# Altium PCB ALTAIR_PD_Soldier_V26.1a.PcbDoc (part 1 of 2) (continued)
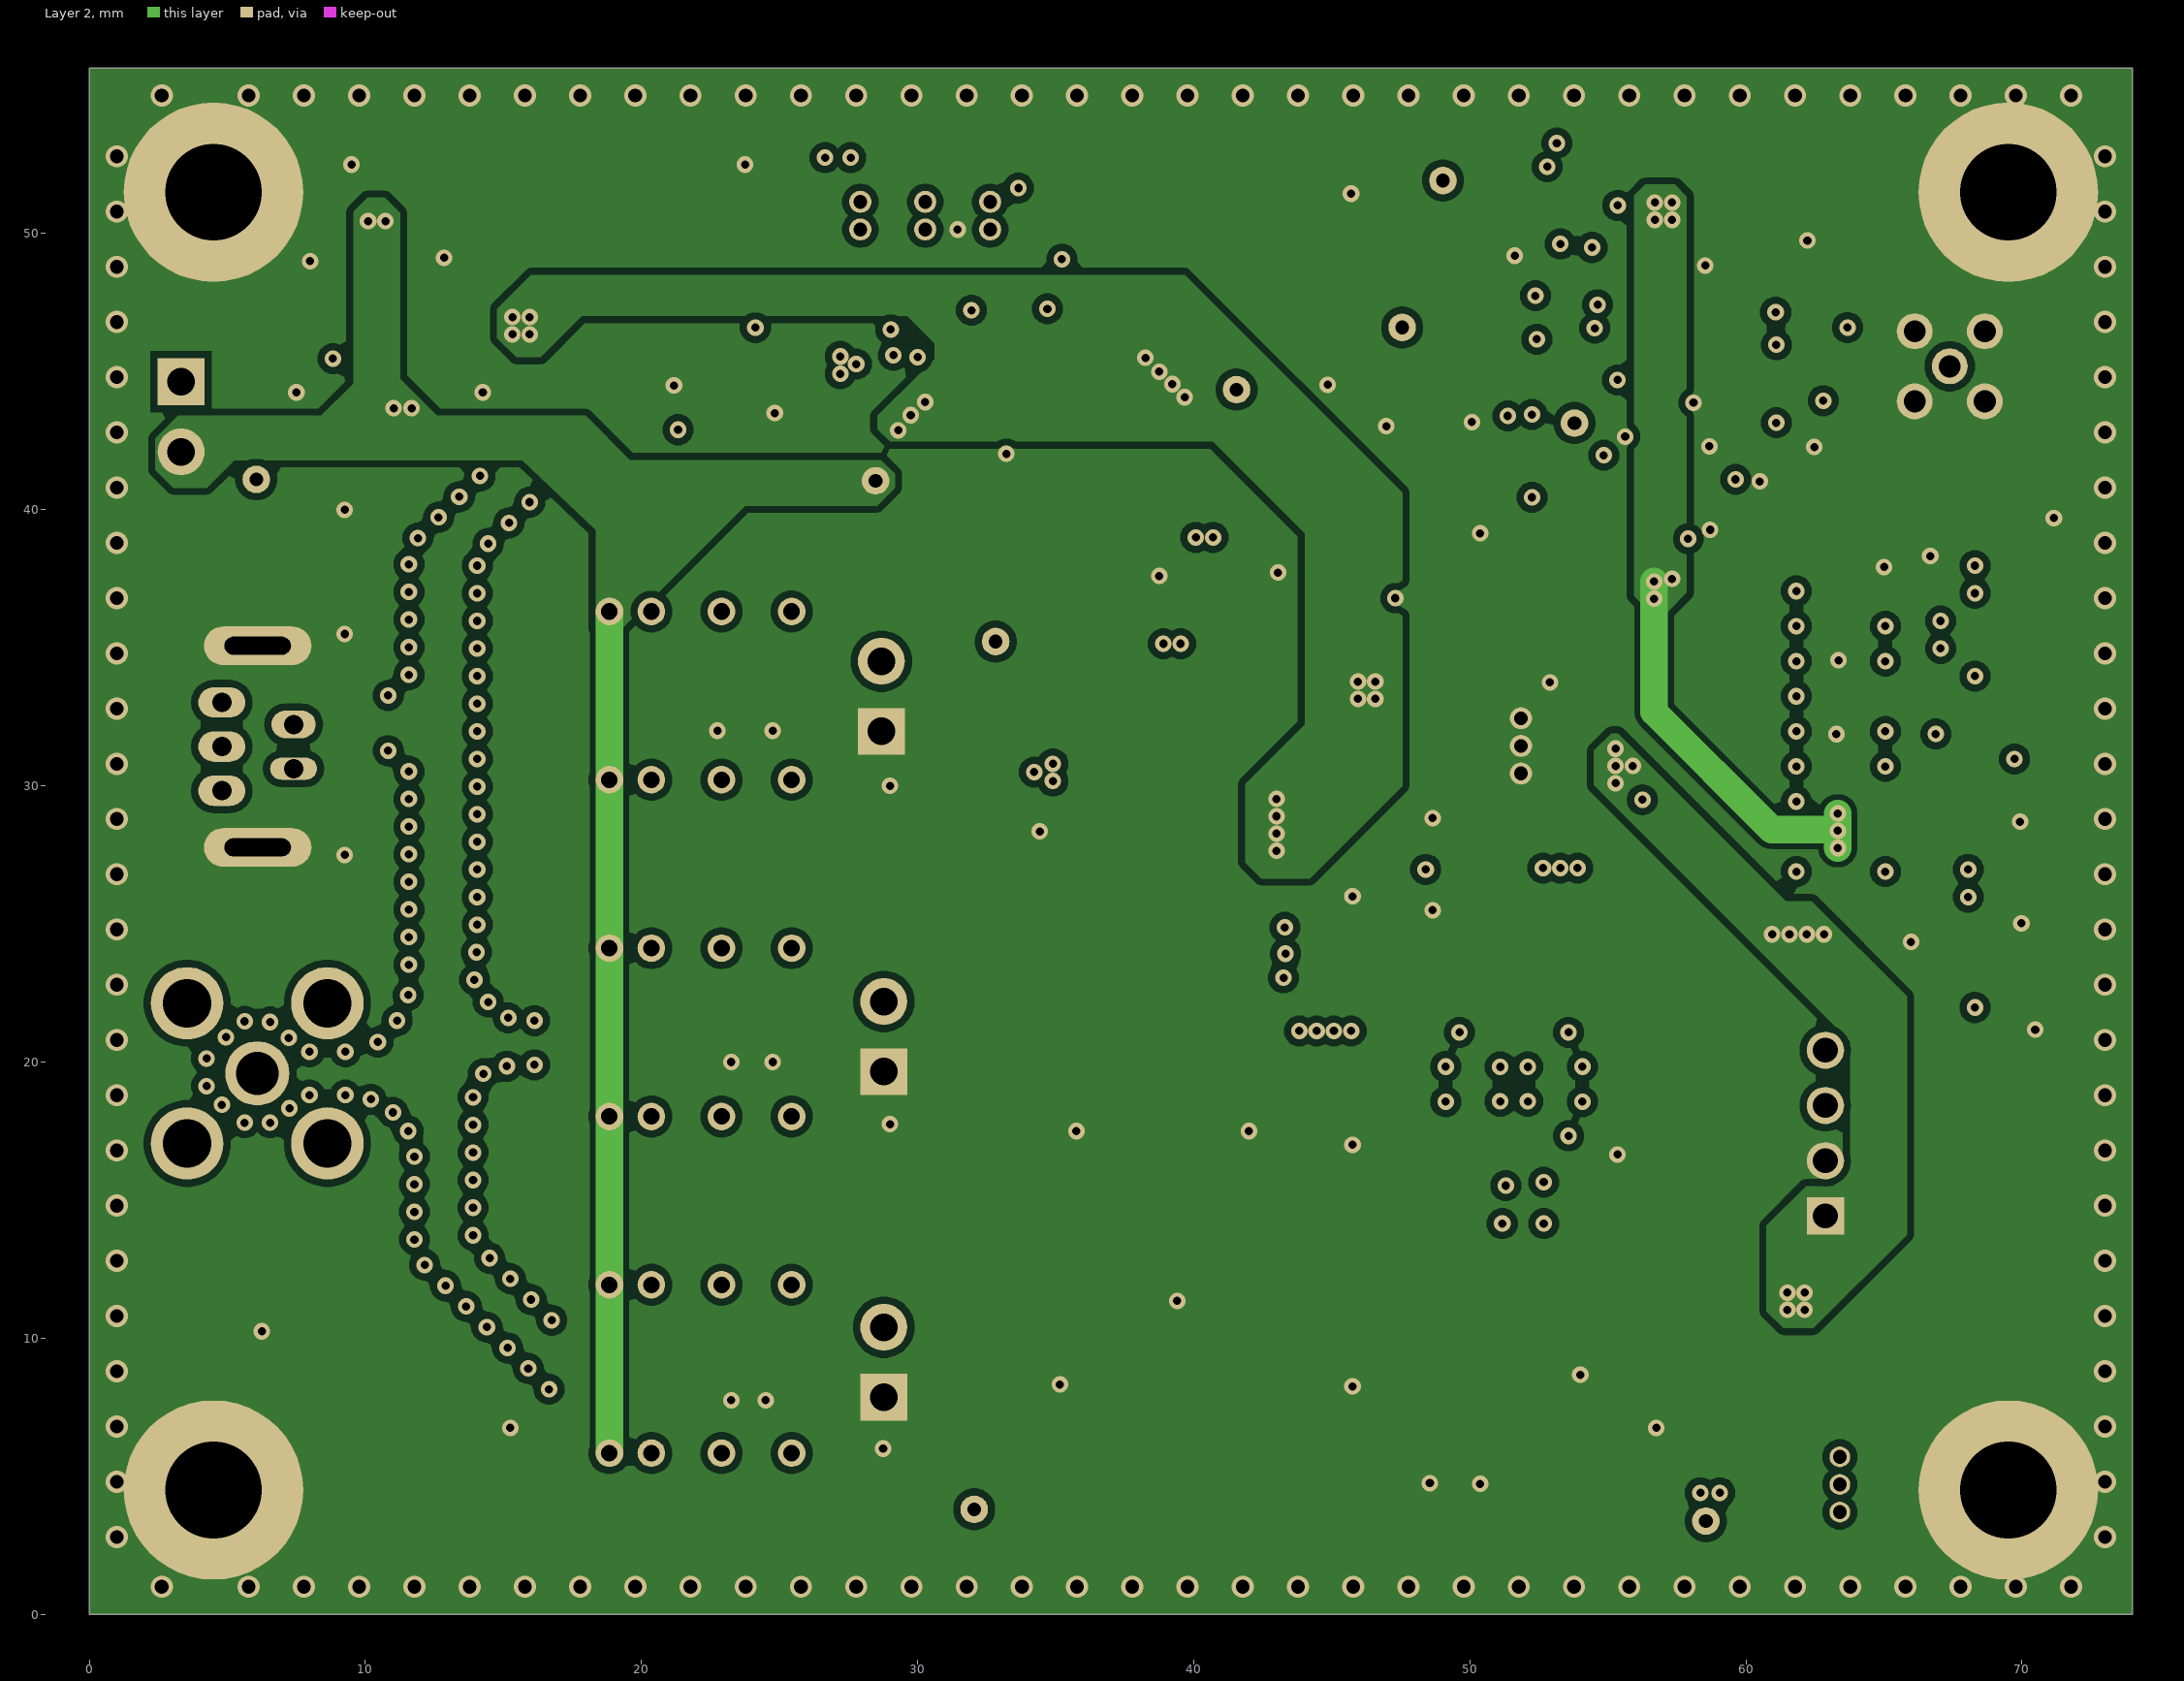
[diagram p3: Layer 2]
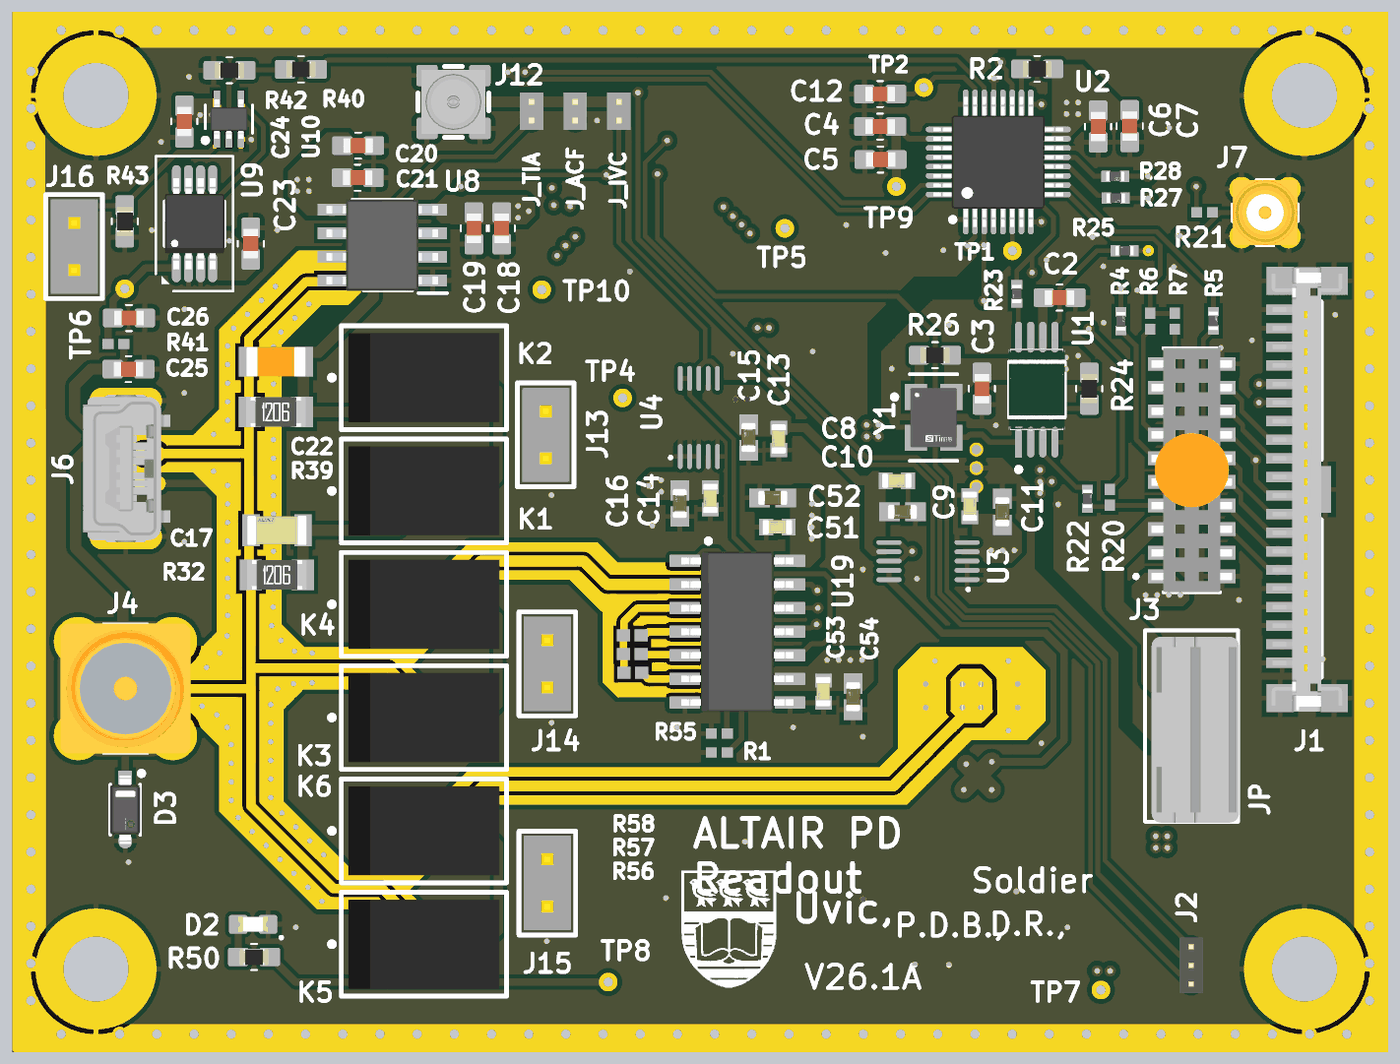
[diagram p5: 3D render of the assembled board from above, using the file's embedded part models]
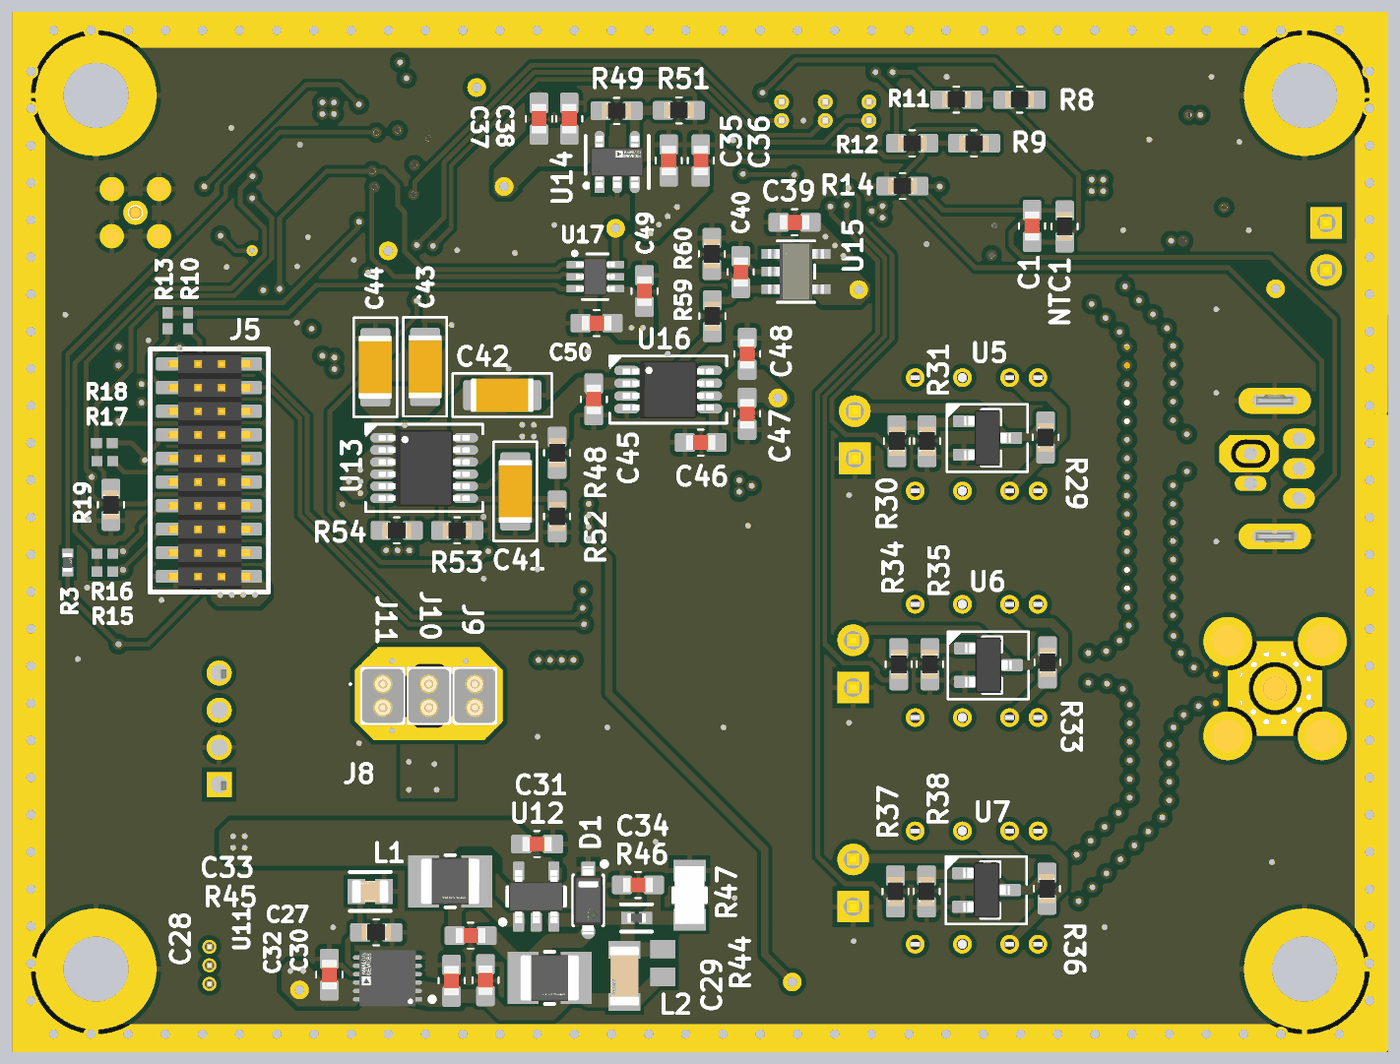
[diagram p6: 3D render of the assembled board from below, using the file's embedded part models]

## Layer stack, top to bottom
Top Solder: solder mask 0.0254, Solder Resist, Dk 3.5
Top Layer: signal copper 0.0356
Dielectric 2: prepreg 0.1702, FR-408, Dk 4.1
Layer 1: signal copper 0.035
Dielectric 1: core 1.1938, FR-408, Dk 4.8
Layer 2: signal copper 0.035
Dielectric 3: prepreg 0.1702, FR-408, Dk 4.1
Bottom Layer: signal copper 0.0356
Bottom Solder: solder mask 0.0254, Solder Resist, Dk 3.5

## Board outline
0,0 74,0 74,56 0,56

## Design rules (kind name [scope] priority, off if disabled: settings)
AssemblyTestPointUsage [All] p1: isadvanced=TRUE
AssemblyTestpoint [All] p1: isadvanced=TRUE testpointundercomponent=TRUE minsize=1.016 maxsize=2.54 preferedsize=1.524 minholesize=0 maxholesize=1.016 preferedholesize=0.813 testpointgrid=0.025 usegrid=TRUE gridtolerance=0 allowsidetop=TRUE allowsidebottom=TRUE
Clearance Clearance_1 [(ExistsOnLayer('Layer 1') Or ExistsOnLayer('Layer 2')) vs (ExistsOnLayer('Layer 1') Or ExistsOnLayer('Layer 2'))] p1: gap=0.254 ignorepadtopadclearanceinfootprint=TRUE except(0: Arc-Hole Track-Hole SMDPad-Hole THPad-Hole Via-Hole Fill-Hole Poly-Hole Region-Hole Text-Hole; 0.127: Arc-Arc Arc-Track Arc-SMDPad Arc-Text Track-Track Track-SMDPad Track-Text SMDPad-SMDPad SMDPad-Text Text-Text; 0.2: Arc-Fill Arc-Poly Arc-Region Track-Fill Track-Poly Track-Region SMDPad-Fill SMDPad-Poly SMDPad-Region Fill-Text Poly-Text Region-Text; 0.22: Arc-Via Track-Via Via-Text) sourcerule=45 cellrowname=All cellrowtype=0 cellcolname=All cellcoltype=0 innerlayers=TRUE
Clearance Clearance_2 [(ExistsOnLayer('Top Layer') Or ExistsOnLayer('Bottom Layer')) vs (ExistsOnLayer('Top Layer') Or ExistsOnLayer('Bottom Layer'))] p2: gap=0.254 ignorepadtopadclearanceinfootprint=TRUE except(0: Arc-Hole Track-Hole SMDPad-Hole THPad-Hole Via-Hole Fill-Hole Poly-Hole Region-Hole Text-Hole; 0.127: Arc-Arc Arc-Track Arc-SMDPad Arc-Text Track-Track Track-SMDPad Track-Text SMDPad-SMDPad SMDPad-Text Text-Text; 0.2: Arc-Fill Arc-Poly Arc-Region Track-Fill Track-Poly Track-Region SMDPad-Fill SMDPad-Poly SMDPad-Region Fill-Text Poly-Text Region-Text; 0.22: Arc-Via Track-Via Via-Text) sourcerule=45 cellrowname=All cellrowtype=0 cellcolname=All cellcoltype=0 outerlayers=TRUE
Clearance [All] p3: gap=0.254 ignorepadtopadclearanceinfootprint=TRUE ismatrix=TRUE
ComponentClearance [All] p1: isadvanced=TRUE gap=0.254 collisioncheckmode=3 verticalgap=0.254 showdistances=FALSE
FabricationTestPointUsage [All] p1: isadvanced=TRUE valid=0 allowmultiple=FALSE
FabricationTestpoint [All] p1: isadvanced=TRUE side=3 testpointundercomponent=TRUE minsize=1.016 maxsize=2.54 preferedsize=1.524 minholesize=0 maxholesize=1.016 preferedholesize=0.813 testpointgrid=0.025 allowsidetop=TRUE allowsidebottom=TRUE usegrid=TRUE gridtolerance=0
FanoutControl Fanout_BGA [IsBGA] p1: isadvanced=TRUE bgadir=Out bgaviamode=Centered fanoutstyle=Auto fanoutdirection=Alternating viagrid=0.025 // Fanout_BGA (Default Rule)
FanoutControl Fanout_LCC [IsLCC] p2: isadvanced=TRUE bgadir=Out bgaviamode=Centered fanoutstyle=Auto fanoutdirection=Alternating viagrid=0.025 // Fanout_LCC (Default Rule)
FanoutControl Fanout_SOIC [IsSOIC] p3: isadvanced=TRUE bgadir=Out bgaviamode=Centered fanoutstyle=Auto fanoutdirection=Alternating viagrid=0.025 // Fanout_SOIC (Default Rule)
FanoutControl Fanout_Small [(CompPinCount < 5)] p4: isadvanced=TRUE bgadir=Out bgaviamode=Centered fanoutstyle=Auto fanoutdirection=OutThenIn viagrid=0.025 // Fanout_Small (Default Rule)
FanoutControl Fanout_Default [All] p5: isadvanced=TRUE bgadir=Out bgaviamode=Centered fanoutstyle=Auto fanoutdirection=Alternating viagrid=0.025 // Fanout_Default (Default Rule)
Height [All] p1: isadvanced=TRUE minheight=0 maxheight=25.4 prefheight=12.7
HoleSize [All] p1: isadvanced=TRUE absolutevalues=TRUE maxlimit=3.5 minlimit=0.025 maxpercent=80.000 minpercent=20.000
HoleToHoleClearance [All] p1: isadvanced=TRUE gap=0.254 allowstackedmicrovias=TRUE
LayerPairs [All] p1: isadvanced=TRUE enforce=TRUE
MinimumSolderMaskSliver [All] p1: isadvanced=TRUE minsoldermaskwidth=0.076
NetAntennae [All] p1: isadvanced=TRUE netantennaetolerance=0
PasteMaskExpansion [All] p1: isadvanced=TRUE expansion=0
PlaneClearance [All] p1: isadvanced=TRUE clearance=0.508
PlaneConnect [All] p1: isadvanced=TRUE planeconnectstyle=Relief reliefexpansion=0.508 reliefentries=4 reliefconductorwidth=0.254 reliefairgap=0.254
PolygonConnect DirectVias [InPolygonClass('DirectConnectVias')] p1: isadvanced=TRUE thpad.connectstyle=Relief thpad.reliefconductorwidth=0.254 thpad.reliefentries=4 thpad.polygonreliefangle="90 Angle" thpad.airgapwidth=0.254 smdpad.connectstyle=Relief smdpad.reliefconductorwidth=0.254 smdpad.reliefentries=4 smdpad.polygonreliefangle="90 Angle" smdpad.airgapwidth=0.254 via.connectstyle=Direct via.reliefconductorwidth=0.254 via.reliefentries=2 via.polygonreliefangle="0 Angle" via.airgapwidth=0.254
PolygonConnect DirectAll [InPolygonClass('DirectConnectAll')] p2: isadvanced=TRUE connectstyle=Direct reliefconductorwidth=0.254 reliefentries=2 polygonreliefangle="0 Angle" airgapwidth=0.254
PolygonConnect [All] p3: connectstyle=Relief reliefconductorwidth=0.254 reliefentries=4 polygonreliefangle="90 Angle" airgapwidth=0.254
RoutingCorners [All] p1: isadvanced=TRUE cornerstyle=45-Degree minsetback=2.54 maxsetback=2.54
RoutingPriority [All] p1: isadvanced=TRUE routingpriority=0
RoutingVias RoutingViaStyle_1 [All] p1: isadvanced=TRUE holewidth=0.3 width=0.6 viastyle="Through Hole" minholewidth=0.3 minwidth=0.6 maxholewidth=0.5 maxwidth=0.8
RoutingVias [All] p2: holewidth=0.711 width=1.27 viastyle="Through Hole" minholewidth=0.711 minwidth=1.27 maxholewidth=0.711 maxwidth=1.27
ShortCircuit [All] p1: isadvanced=TRUE allowed=FALSE
SilkToSilkClearance [All] p1: isadvanced=TRUE silktosilkclearance=0.254
SilkToSolderMaskClearance [IsPad] p1: isadvanced=TRUE minsilkscreentomaskgap=0.15 clearancetoexposedcopper=TRUE
SolderMaskExpansion [All] p1: isadvanced=TRUE expansion=0 istentingtop=FALSE
SupplyNets "Schematic Supply Nets_5" [InNet('7V5')] p1: isadvanced=TRUE voltage=0.000
SupplyNets "Schematic Supply Nets_4" [InNet('-15V')] p2: isadvanced=TRUE voltage=0.000
SupplyNets "Schematic Supply Nets_3" [InNet('SYS_GND')] p3: isadvanced=TRUE voltage=0.000
SupplyNets "Schematic Supply Nets_2" [InNet('A5V')] p4: isadvanced=TRUE voltage=0.000
SupplyNets "Schematic Supply Nets_1" [InNet('A5VSW')] p5: isadvanced=TRUE voltage=0.000
SupplyNets "Schematic Supply Nets" [InNet('SYS_DVDD')] p6: isadvanced=TRUE voltage=0.000
UnRoutedNet [All] p1: isadvanced=TRUE
UnpouredPolygon [All] p1: isadvanced=TRUE
Width [All] p1: maxlimit=5 minlimit=0.127 preferedwidth=0.254 midlayer1_minwidth=0.254 midlayer2_minwidth=0.254 minimp=50.000000 maximp=50.000000 favimp=50.000000
4 further rules are at their usual default settings.

## Classes and differential pairs
polygon class DirectConnectVias: SYS_GND_L01_P001 SYS_GND_L01_P002 SYS_GND_L04_P001
polygon class DirectConnectAll: 7V5_L01_P001 7V5_L01_P002 7V5_L03_P001 7V5_L04_P001 7V5_L04_P002 7V5_L04_P003 -15V_L01_P001 -15V_L01_P002 -15V_L01_P003 -15V_L01_P004 -15V_L02_P001 -15V_L04_P001 -16V5_L04_P001 A5V_L01_P001 A5V_L01_P002 A5V_L02_P001 A5V_L04_P001 A5V_L04_P002 A5VSW_L01_P001 A5VSW_L01_P002 A5VSW_L03_P001 A5VSW_L04_P001 AVDD_L04_P001 GUARD_L01_P001 GUARD_L01_P002 GUARD_L01_P003 GUARD_L04_P001 GUARD_L04_P002 GUARD_L04_P003 NETJ10_1_L01_P001 NETJ10_1_L04_P001 SYS_DVDD_L01_P001 SYS_DVDD_L01_P002 SYS_DVDD_L01_P003 SYS_DVDD_L03_P001 SYS_DVDD_L04_P001 SYS_GND_L02_P001 SYS_GND_L03_P001 SYS_VBAT_L01_P001 SYS_VBAT_L03_P001 SYS_VBAT_L04_P001 SYS_VBAT_L04_P002 SYS_VBAT_L04_P003
component class TIA1: C1 C17 C18 C19 C20 C21 C22 C23 C24 C25 C26 C49 C50 D3 J2 J4 J6 J13 J14 J15 J16 K1 K2 K3 K4 K5 K6 NTC1 R8 R9 R11 R12 R14 R29 R30 R31 R32 R33 R34 R35 R36 R37 R38 R39 R40 R41 R42 R43 TP5 TP6 U5 U6 U7 U8 U9 U10 U17
component class PWR1: C27 C28 C29 C30 C31 C32 C33 C34 C35 C36 C37 C38 C39 C40 C41 C42 C43 C44 C45 C46 C47 C48 D1 D2 L1 L2 R44 R45 R46 R47 R48 R49 R50 R51 R52 R53 R54 R59 R60 TP4 TP7 TP8 TP9 TP10 U11 U12 U13 U14 U15 U16
component class INT1: C51 C52 C53 C54 J8 J9 J10 J11 R1 R55 R56 R57 R58 U19
component class BIO1: H1 H2 H3 H4 J1 J3 J5 JP R2 R3 R4 R5 R6 R7 R10 R13 R15 R16 R17 R18 R19
component class ADC1: C2 C3 C4 C5 C6 C7 C8 C9 C10 C11 C12 C13 C14 C15 C16 J7 J12 J_ACF J_IVC J_TIA R20 R21 R22 R23 R24 R25 R26 R27 R28 TP1 TP2 U1 U2 U3 U4 Y1

## Components (designator, comment, footprint, x,y, rotation, side; value= is the part's Value field where it differs from the comment)
C1 "0.1uF" "CAP 0603 IPC MID DENSITY" 19.154,44.475 r270 bottom locked
C2 "0.1uF" "CAP 0603 IPC MID DENSITY" 56.325,40.625 r180 top
C3 "0.1uF" "CAP 0603 IPC MID DENSITY" 52.15,35.725 r90 top
C4 "0.1uF" "CAP 0603 IPC MID DENSITY" 46.675,49.825 r0 top
C5 "10uF" "CAP 0603 IPC MID DENSITY" 46.7,48.05 r0 top
C6 "0.1uF" "CAP 0603 IPC MID DENSITY" 58.4,49.825 r90 top
C7 "10uF" "CAP 0603 IPC MID DENSITY" 60.1,49.85 r90 top
C8 "0.1uF" "CAP 0603 NON-IPC KEMET X7R" 47.575,30.775 r180 top
C9 "0.1uF" "CAP 0603 NON-IPC KEMET X7R" 51.5,29.4 r270 top
C10 "10uF" "CAP 0603 IPC MID DENSITY MURATA" 47.875,29.1 r180 top
C11 "10uF" "CAP 0603 IPC MID DENSITY MURATA" 53.25,29.1 r270 top
C12 "10uF" "CAP 0603 IPC MID DENSITY" 46.675,51.575 r0 top
C13 "0.1uF" "CAP 0603 NON-IPC KEMET X7R" 41.225,33.025 r90 top
C14 "0.1uF" "CAP 0603 NON-IPC KEMET X7R" 37.55,29.825 r90 top
C15 "10uF" "CAP 0603 IPC MID DENSITY MURATA" 39.6,33.1 r90 top
C16 "10uF" "CAP 0603 IPC MID DENSITY MURATA" 35.9,29.55 r90 top
C17 "300pF" "CAP 1206 NON-IPC KEMET NP0" 14.232,28.104 r0 top
C18 "1uF" "CAP 0603 IPC MID DENSITY" 26.325,44.35 r90 top
C19 "0.1uF" "CAP 0603 IPC MID DENSITY" 24.825,44.35 r90 top
C20 "1uF" "CAP 0603 IPC MID DENSITY" 18.6,48.8 r180 top
C21 "0.1uF" "CAP 0603 IPC MID DENSITY" 18.575,47.075 r180 top
C22 "10pF" "CAP 1206 UNKNOWN" 14.182,37.174 r0 top
C23 "1uF" "CAP 0603 IPC MID DENSITY" 12.825,43.525 r270 top
C24 "0.1uF" "CAP 0603 IPC MID DENSITY" 9.25,50.1 r90 top
C25 "TBD OPT" "CAP 0603 IPC MID DENSITY" 6.25,36.775 r180 top
C26 "TBD OPT" "CAP 0603 IPC MID DENSITY" 6.275,39.525 r180 top
C27 "1uF" "CAP 0603 IPC MID DENSITY" 49.35,6.3 r180 bottom
C28 "10uF" "CAP 0603 IPC MID DENSITY" 56.95,4.2 r90 bottom
C29 "330pF" "CAP 1206 NON-IPC KEMET NP0" 41.075,4.125 r90 bottom
C30 "10uF" "CAP 0603 IPC MID DENSITY" 48.55,3.9 r90 bottom
C31 "10uF" "CAP 0603 IPC MID DENSITY" 45.775,11.225 r0 bottom
C32 "10uF" "CAP 0603 IPC MID DENSITY" 50.375,3.875 r90 bottom
C33 "4.7uF" "CAP 0805 NON-IPC KEMET X5R" 54.75,8.675 r180 bottom
C34 "1uF" "CAP 0603 IPC MID DENSITY" 40.35,9.025 r0 bottom
C35 "1uF" "CAP 0603 IPC MID DENSITY" 38.696,47.996 r270 bottom
C36 "1uF" "CAP 0603 IPC MID DENSITY" 36.971,47.996 r270 bottom
C37 "1uF" "CAP 0603 IPC MID DENSITY" 45.671,50.246 r270 bottom
C38 "1uF" "CAP 0603 IPC MID DENSITY" 44.046,50.246 r270 bottom
C39 "1uF" "CAP 0603 IPC MID DENSITY" 31.925,44.675 r180 bottom
C40 "0.1uF" "CAP 0603 IPC MID DENSITY" 34.825,42 r270 bottom
C41 "10uF" "CAP 1206 IPC LOW DENSITY" 46.95,30.2 r90 bottom
C42 "10uF" "CAP 1206 IPC LOW DENSITY" 47.65,35.375 r0 bottom
C43 "10uF" "CAP 1206 IPC LOW DENSITY" 51.8,36.9 r270 bottom
C44 "10uF" "CAP 1206 IPC LOW DENSITY" 54.475,36.875 r270 bottom
C45 "1uF" "CAP 0603 IPC MID DENSITY" 42.725,35.15 r90 bottom
C46 "1uF" "CAP 0603 IPC MID DENSITY" 36.975,32.825 r180 bottom
C47 "10uF" "CAP 0603 IPC MID DENSITY" 34.475,34.375 r90 bottom
C48 "1uF" "CAP 0603 IPC MID DENSITY" 34.475,37.6 r270 bottom
C49 "10uF" "CAP 0603 IPC MID DENSITY" 40,40.975 r270 bottom
C50 "0.1uF" "CAP 0603 IPC MID DENSITY" 42.575,39.25 r180 bottom
C51 "0.1uF" "CAP 0603 NON-IPC KEMET X7R" 41.15,28.275 r0 top
C52 "10uF" "CAP 0603 IPC MID DENSITY MURATA" 40.9,29.85 r0 top
C53 "0.1uF" "CAP 0603 NON-IPC KEMET X7R" 43.625,19.425 r90 top
C54 "10uF" "CAP 0603 IPC MID DENSITY MURATA" 45.225,19.15 r90 top
D1 "MBR0520" "SOD-123 ONSEMI SMALL PADS" 43.025,8.2 r270 bottom
D2 "BLUE" "LED 0603 MID DENSITY" 12.95,6.904 r0 top
D3 "MMSZ4679" "SOD-123 ONSEMI SMALL PADS" 6.075,13.075 r270 top
H1 "Mount-hole" "M3 PTH FOR 4.5MM HEX" 4.5,4.5 r0 top locked
H2 "Mount-hole" "M3 PTH FOR 4.5MM HEX" 69.5,4.5 r0 top locked
H3 "Mount-hole" "M3 PTH FOR 4.5MM HEX" 69.5,51.5 r0 top locked
H4 "Mount-hole" "M3 PTH FOR 4.5MM HEX" 4.5,51.5 r0 top locked
J1 "DF19-20P-1V_52_" "HEADER MALE 20x1 1MM PITCH SMD" 69.641,30.3 r270 top locked
J2 "BC020-03-A-0200-0300-L-G" "JUMPER 3POS 1MM PITCH THT" 63.4,4.7 r90 top
J3 "CLP-110-02-X-D" "HEADER FEMALE 10X2 1.27MM PITCH SMD" 63.437,31.34 r270 top locked
J4 "60312002114503" "COAX SMA THT" 6.085,19.59 r180 top locked
J5 "CLP-110-02-X-D" "HEADER MALE 10X2 1.2MM PITCH SMD" 65.22,37.055 r180 bottom locked
J6 "USB-miniB" USB-miniB 6.1,31.425 r90 top locked
J7 "66012002111503" "COAX MMCX THT" 67.38,45.195 r90 top
J8 "Pogo_Pad" "Pogo_pad 2X2" 51.685,15.15 r270 bottom locked
J9 "854-22-002-33-004101" "POGO PINS 1x2 SMD 50MIL PITCH" 49.125,19.2 r270 bottom locked
J10 "854-22-002-33-004101" "POGO PINS 1x2 SMD 50MIL PITCH" 51.6,19.2 r270 bottom locked
J11 "854-22-002-33-004101" "POGO PINS 1x2 SMD 50MIL PITCH" 54.075,19.2 r270 bottom locked
J12 "MMCX" "COAX MMCX SMD" 23.725,51.15 r0 top locked
J13 "Jumper" "JUMPER 2POS 2.54MM PITCH THT" 28.688,31.973 r90 top
J14 "Jumper" "JUMPER 2POS 2.54MM PITCH THT" 28.775,19.65 r90 top
J15 "Jumper" "JUMPER 2POS 2.54MM PITCH THT" 28.775,7.855 r90 top
J16 "Jumper" "JUMPER 2POS 2.54MM PITCH THT" 3.325,44.64 r270 top locked
J_ACF "J_TIA" "JUMPER 2POS 1MM PITCH THT" 30.275,50.15 r90 top locked
J_IVC "J_TIA" "JUMPER 2POS 1MM PITCH THT" 32.625,50.15 r90 top locked
J_TIA "J_TIA" "JUMPER 2POS 1MM PITCH THT" 27.925,50.15 r90 top locked